# Altium PCB 2019.07.15.master.PcbDoc (part 1 of 7) (continued)
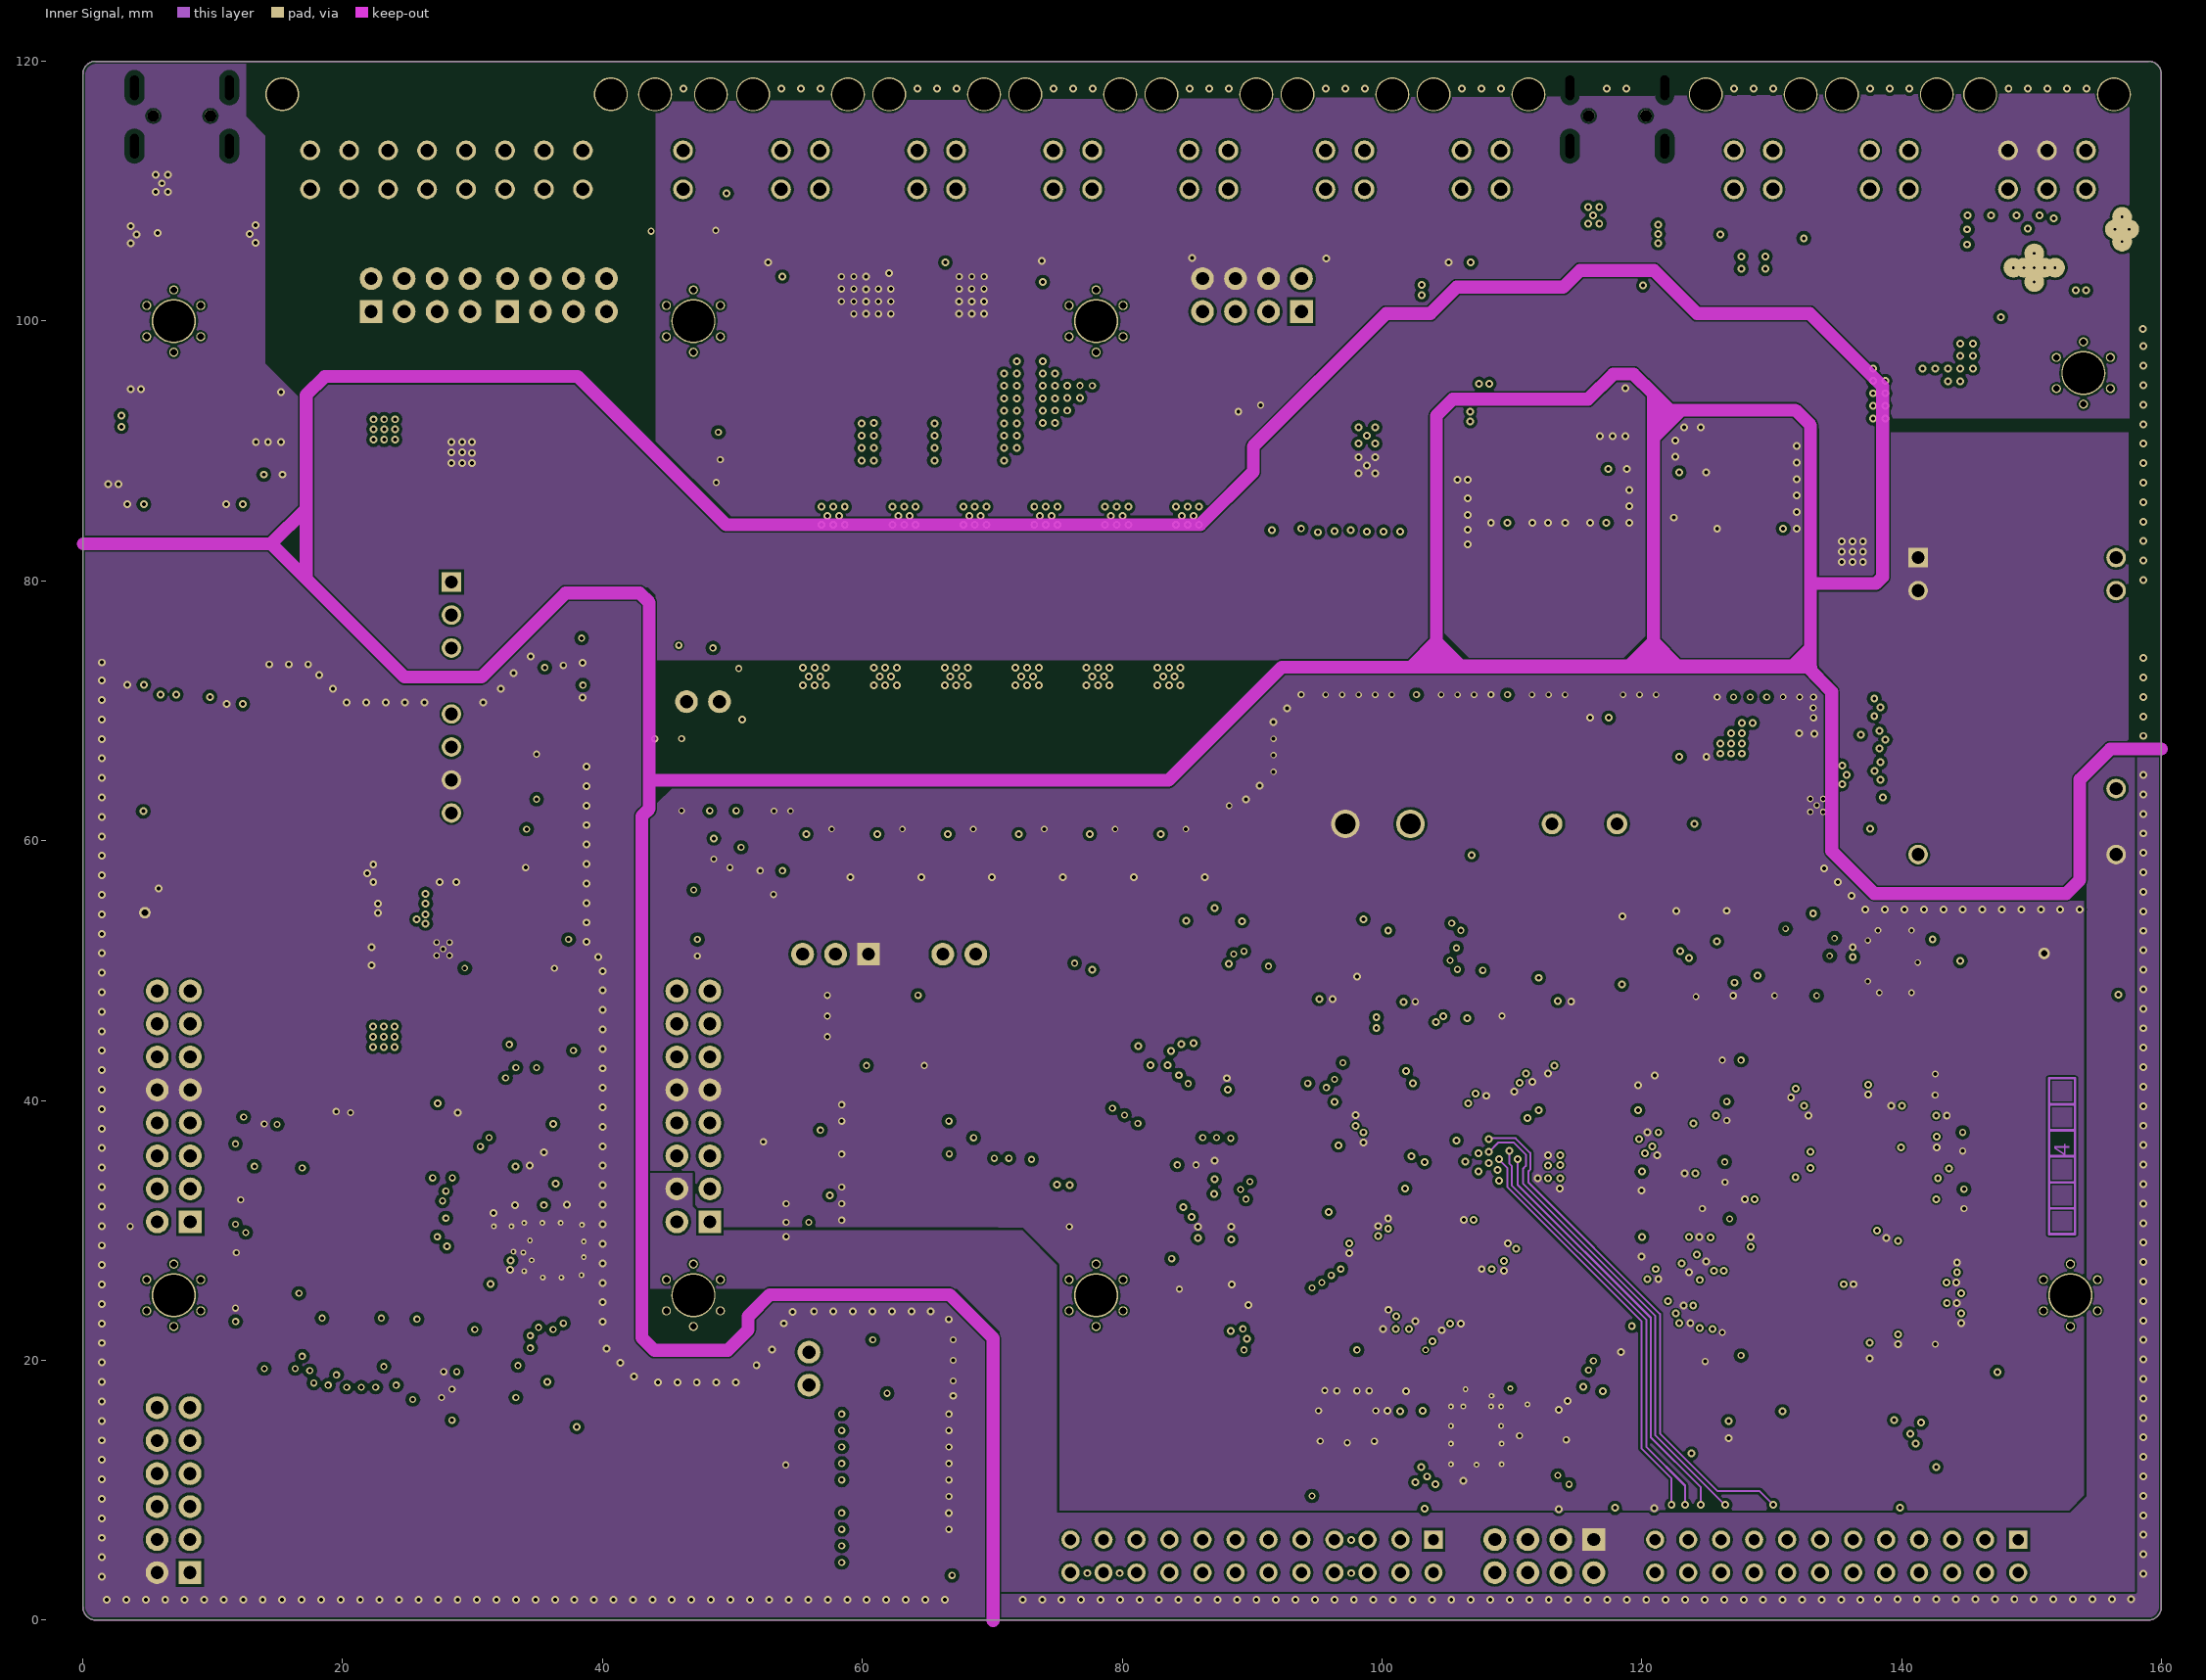
[diagram p4: Inner Signal]
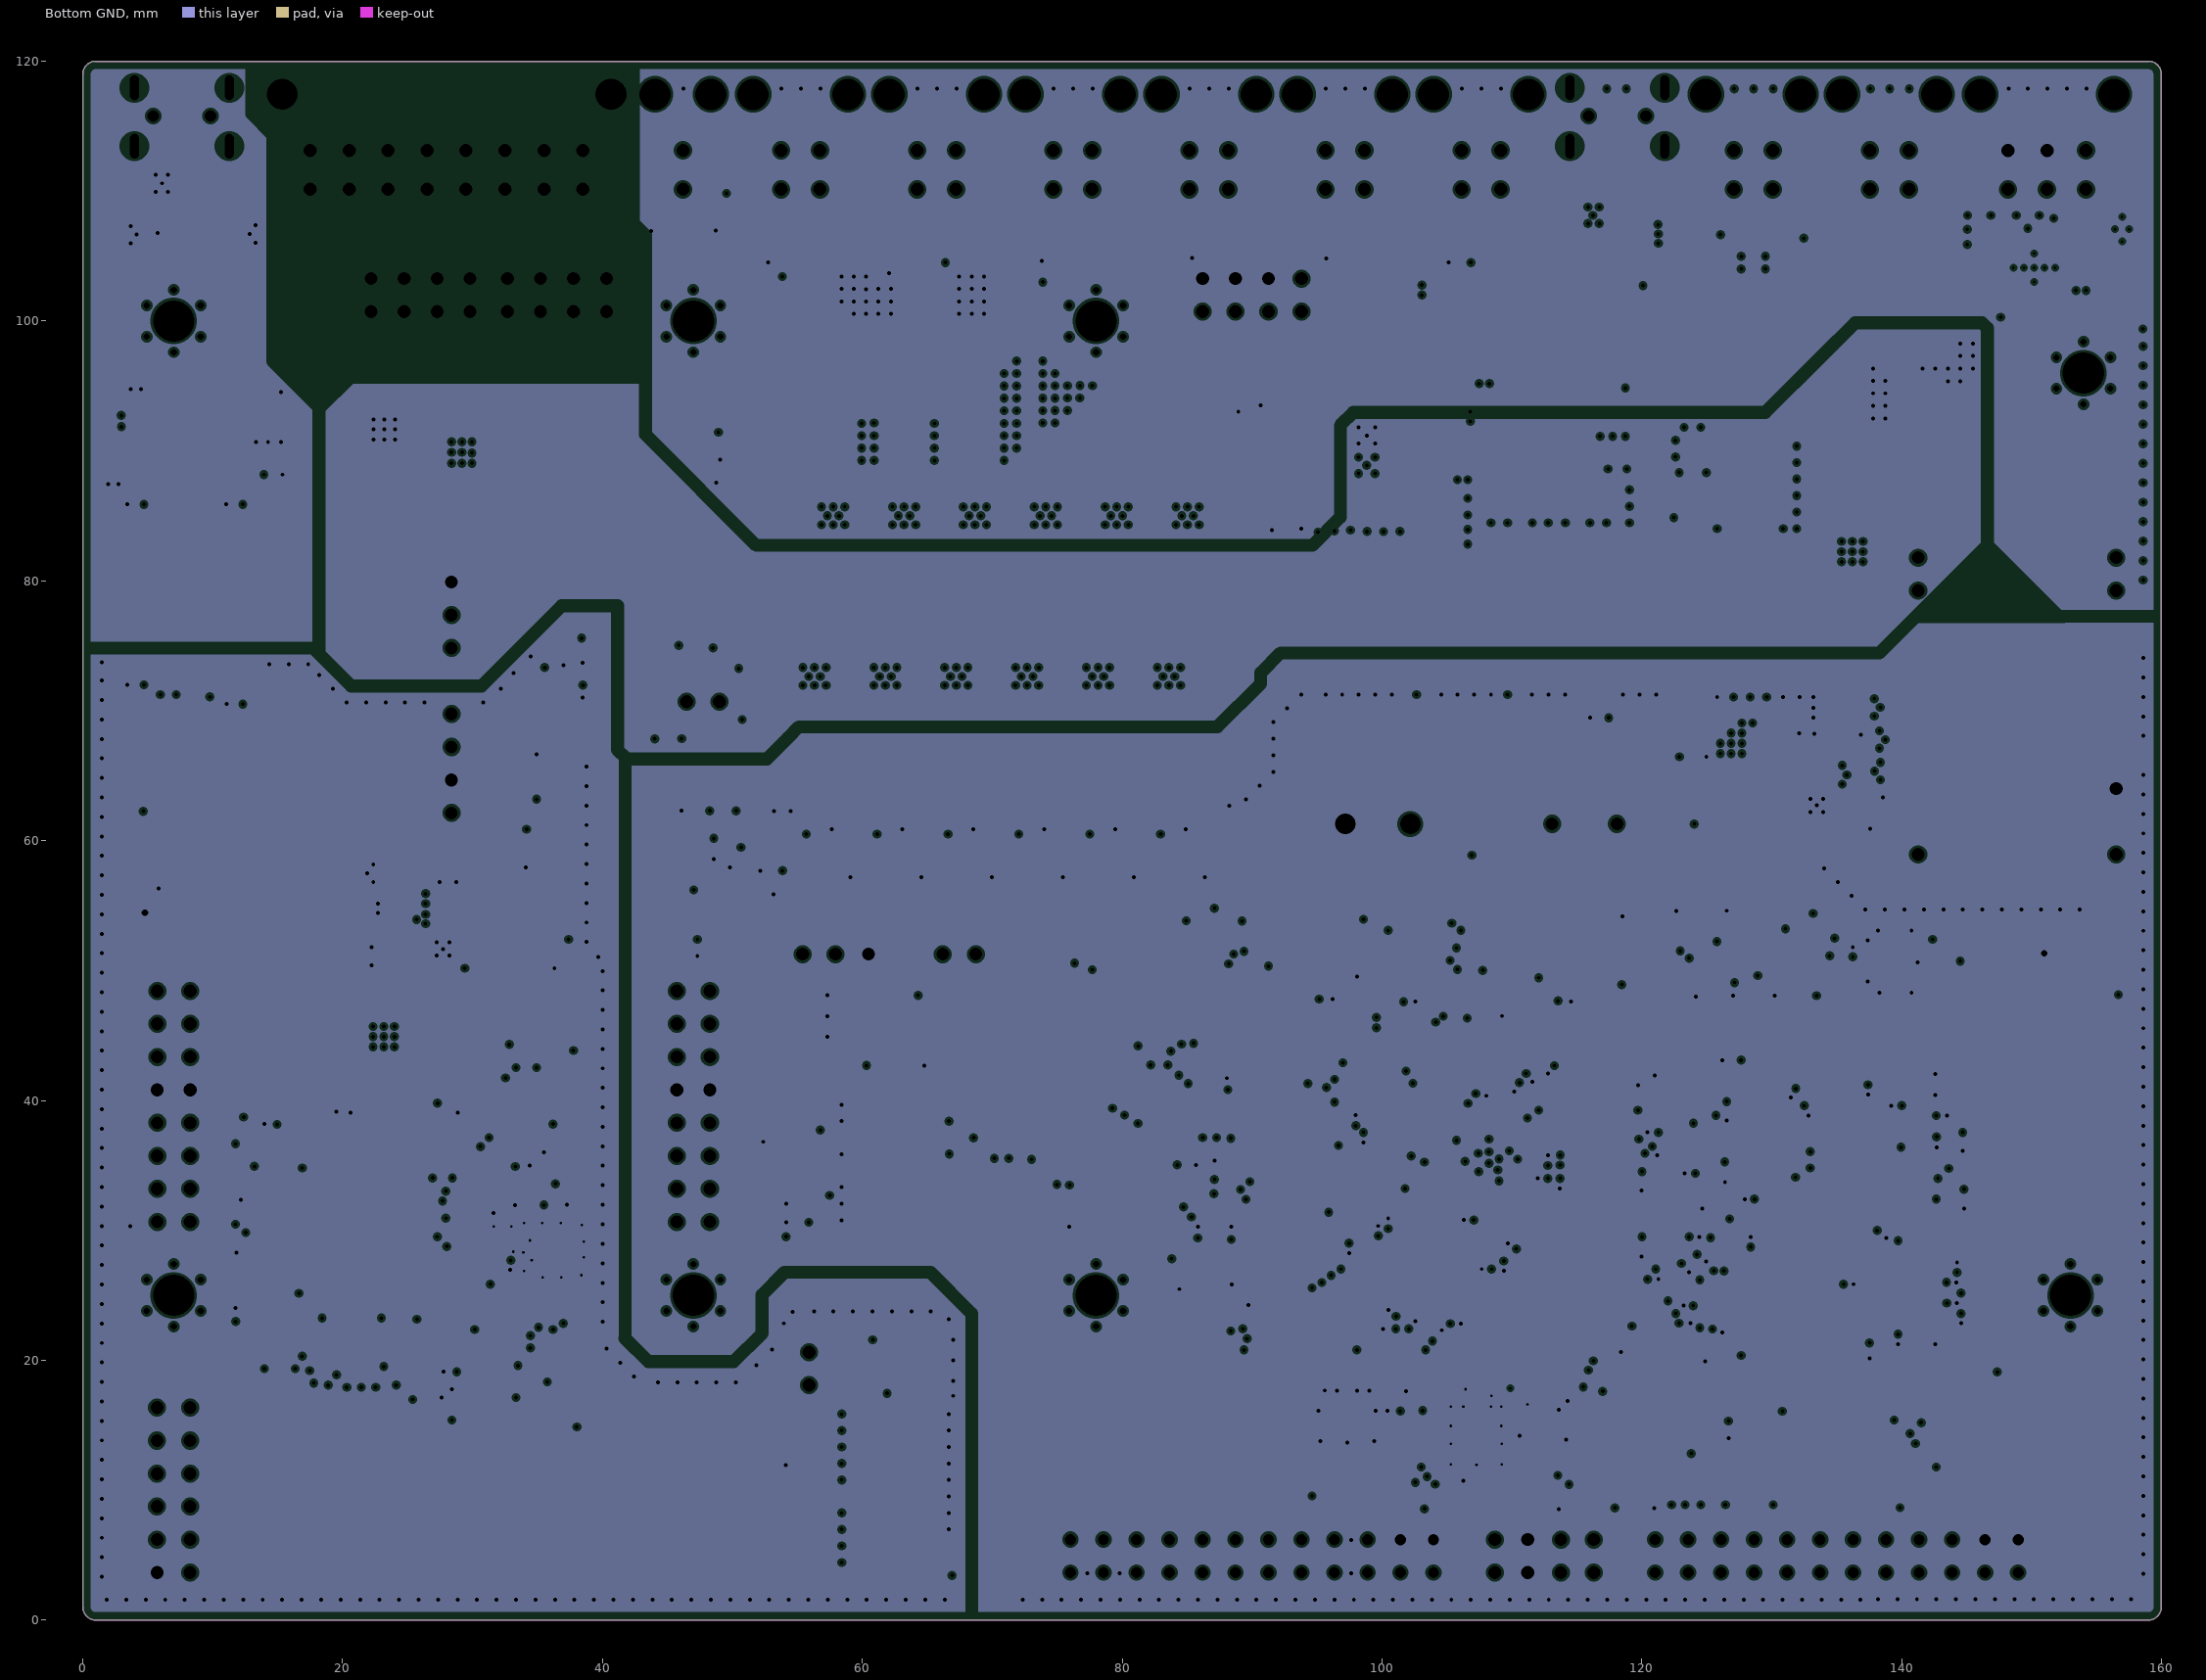
[diagram p5: Bottom GND, clearances drawn from the general rule]
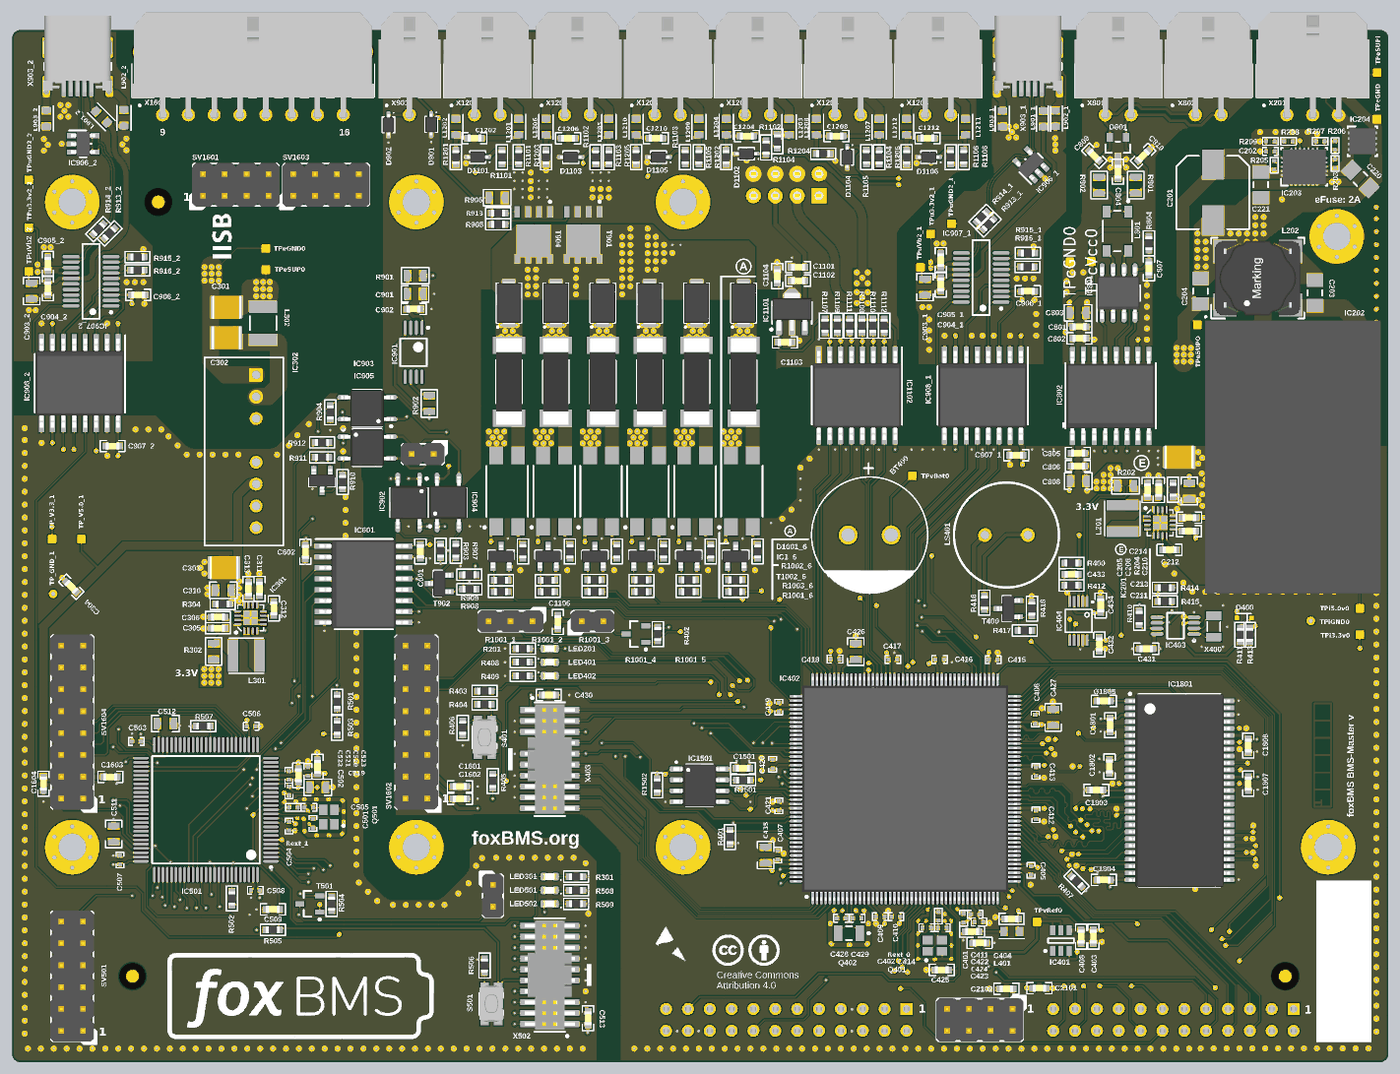
[diagram p12: 3D render of the assembled board from above, using the file's embedded part models]
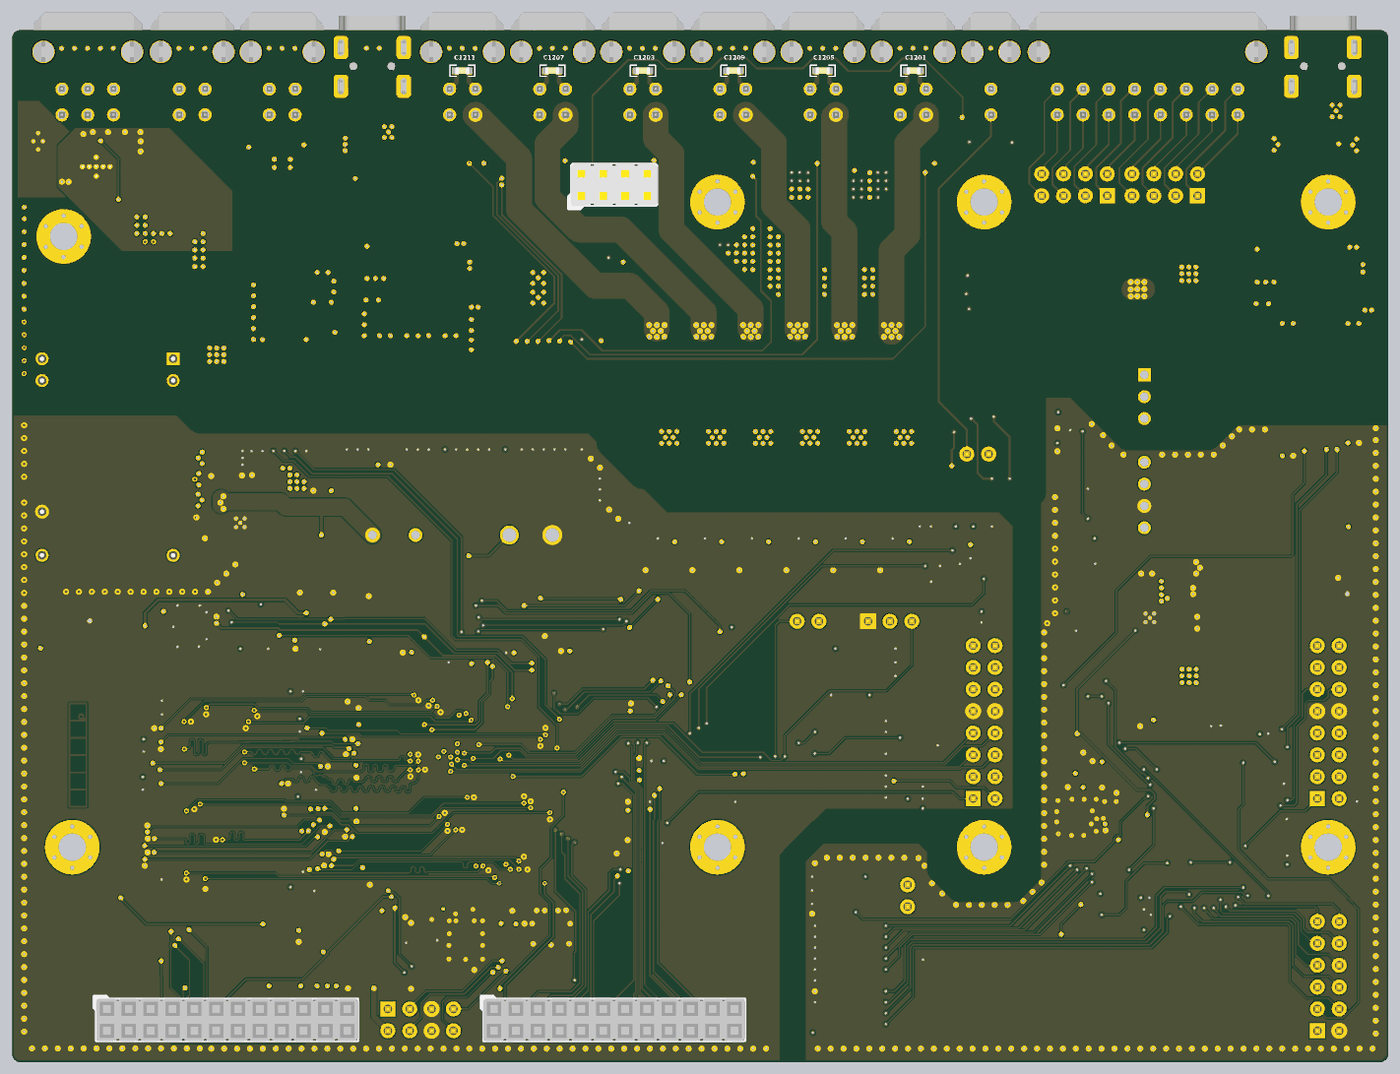
[diagram p13: 3D render of the assembled board from below, using the file's embedded part models]

## Layer stack, top to bottom
Top Solder: solder mask 0.015, Solder Resist, Dk 3.5
Top Signal: signal copper 0.018
Dielectric 1: prepreg 0.1118, PP-015, Dk 4.29
Top GND: plane copper 0.035, net (Multiple Nets)
Dielectric 4: core 0.53, Core-009, Dk 3.96
Inner PWR: plane copper 0.035, net (Multiple Nets)
Dielectric 2: prepreg 0.1118, PP-015, Dk 4.29
Inner Signal: signal copper 0.035
Dielectric 5: core 0.53, Core-009, Dk 3.96
Bottom GND: plane copper 0.035, net (Multiple Nets)
Dielectric 3: prepreg 0.1118, PP-015, Dk 4.29
Bottom Signal: signal copper 0.018
Bottom Solder: solder mask 0.015, Solder Resist, Dk 3.5

## Board outline
159,0 1,0 cw(c1,1) 0,1 0,119 cw(c1,119) 1,120 159,120 cw(c159,119) 160,119 160,1 cw(c159,1)

## Design rules (kind name [scope] priority, off if disabled: settings)
AssemblyTestPointUsage [All] p1 off:
AssemblyTestpoint [(IsPad And (OnTopLayer Or OnBottomLayer)) Or (IsPad And OnMultiLayer)] p1 off: testpointundercomponent=FALSE minsize=1.016 maxsize=2.54 preferedsize=1.524 minholesize=0 maxholesize=1.016 preferedholesize=0.813 testpointgrid=0.025 usegrid=TRUE gridtolerance=0 allowsidetop=TRUE
BoardOutlineClearance [not IsKeepOut] p1: gap=0.203 ignorepadtopadclearanceinfootprint=FALSE except(0.508: Arc-CavityEdge Track-CavityEdge SMDPad-CavityEdge THPad-CavityEdge Via-CavityEdge Fill-CavityEdge Poly-CavityEdge Region-CavityEdge Text-CavityEdge)
Clearance [InNetClass('ISO_EXT') or InNetClass('ISO_MCU_SEC') or InNetClass('ISO_MCU_USB') or InNetClass('ISO_MCU') vs not (InNetClass('ISO_EXT') or InNetClass('ISO_MCU_SEC') or InNetClass('ISO_MCU_USB') or InNetClass('ISO_MCU'))] p1: gap=0.15 ignorepadtopadclearanceinfootprint=TRUE except(0.1: Arc-Arc Arc-Track Arc-SMDPad Arc-THPad Track-Track Track-SMDPad Track-THPad SMDPad-SMDPad SMDPad-THPad THPad-THPad; 0.127: Arc-Via Arc-Fill Arc-Poly Arc-Region Track-Via Track-Fill Track-Poly Track-Region SMDPad-Via THPad-Via Via-Via Via-Fill Via-Poly Via-Region Via-Text Via-Hole)
Clearance PolygonClear [IsKeepOut vs InPoly] p2: gap=0.15 ignorepadtopadclearanceinfootprint=TRUE except(0.1: Arc-Arc Arc-Track Arc-SMDPad Arc-THPad Track-Track Track-SMDPad Track-THPad SMDPad-SMDPad SMDPad-THPad THPad-THPad; 0.127: Arc-Via Arc-Fill Arc-Poly Arc-Region Track-Via Track-Fill Track-Poly Track-Region SMDPad-Via THPad-Via Via-Via Via-Fill Via-Poly Via-Region Via-Text Via-Hole)
Clearance "Schematic Clearance Constraint" [InNetClass('FMC.SDRAM')] p3: gap=0.12 ignorepadtopadclearanceinfootprint=FALSE except(0.127: Arc-Via Track-Via Via-Via Via-Fill Via-Poly Via-Region; 0.2: Arc-Text Arc-Hole Track-Text Track-Hole SMDPad-Text SMDPad-Hole THPad-Text THPad-Hole Via-Text Via-Hole Fill-Text Fill-Hole Poly-Text Poly-Hole Region-Text Region-Hole Text-Text Text-Hole)
Clearance Outer-LV-GAP_ISO_EXT [InNetClass('ISO_EXT') and OnOutside and not IsKeepOut vs (InNetClass('ISO_EXT') = false) and OnOutside and (IsKeepOut = false) and (InNetClass('ISO_MCU') or InNetClass('ISO_MCU_SEC') or InNetClass('ISO_MCU_USB'))] p4: gap=1.8 ignorepadtopadclearanceinfootprint=TRUE except(0: Arc-Text Track-Text SMDPad-Text THPad-Text Via-Text Fill-Text Poly-Text Region-Text Text-Text; 0.2: Arc-Hole Track-Hole SMDPad-Hole THPad-Hole Via-Hole Fill-Hole Poly-Hole Region-Hole Text-Hole; 3: Arc-SMDPad Arc-THPad Track-SMDPad Track-THPad SMDPad-SMDPad SMDPad-THPad THPad-THPad) // 600VDC Outer Gap
Clearance InnerLV-GAP_ISO_EXT [InNetClass('ISO_EXT') and OnMid and not IsKeepOut vs not InNetClass('ISO_EXT') and OnMid and (InNetClass('ISO_MCU') or InNetClass('ISO_MCU_SEC') or InNetClass('ISO_MCU_USB'))] p5: gap=0.7 ignorepadtopadclearanceinfootprint=TRUE except(0: Arc-Text Track-Text SMDPad-Text THPad-Text Via-Text Fill-Text Poly-Text Region-Text Text-Text; 0.2: Arc-Hole Track-Hole SMDPad-Hole THPad-Hole Via-Hole Fill-Hole Poly-Hole Region-Hole Text-Hole) // 600VDC Inner Gap
Clearance Outer-LV-GAP_ISO_MCU [InNetClass('ISO_MCU')  and OnOutside       and not IsKeepOut vs (not InNetClass('ISO_MCU')) and OnOutside and not IsKeepOut and (InNetClass('ISO_EXT') or InNetClass('ISO_MCU_SEC') or InNetClass('ISO_MCU_USB'))] p6: gap=1.8 ignorepadtopadclearanceinfootprint=TRUE except(0: Arc-Text Track-Text SMDPad-Text THPad-Text Via-Text Fill-Text Poly-Text Region-Text Text-Text; 0.2: Arc-Hole Track-Hole SMDPad-Hole THPad-Hole Via-Hole Fill-Hole Poly-Hole Region-Hole Text-Hole; 3: Arc-SMDPad Arc-THPad Track-SMDPad Track-THPad SMDPad-SMDPad SMDPad-THPad THPad-THPad) // 600VDC Outer Gap
Clearance Inner-LV-GAP_ISO_MCU [InNetClass('ISO_MCU') and OnMid and not IsKeepOut vs not InNetClass('ISO_MCU') and OnMid and (InNetClass('ISO_EXT') or InNetClass('ISO_MCU_SEC') or InNetClass('ISO_MCU_USB'))] p7: gap=0.7 ignorepadtopadclearanceinfootprint=TRUE except(0: Arc-Text Track-Text SMDPad-Text THPad-Text Via-Text Fill-Text Poly-Text Region-Text Text-Text; 0.2: Arc-Hole Track-Hole SMDPad-Hole THPad-Hole Via-Hole Fill-Hole Poly-Hole Region-Hole Text-Hole) // 600VDC Outer Gap
Clearance Outer-LV-GAP_ISO_MCU_SEC [InNetClass('ISO_MCU_SEC') and OnOutside and not IsKeepOut vs (not InNetClass('ISO_MCU_SEC')) and OnOutside and not IsKeepOut and (InNetClass('ISO_EXT') or InNetClass('ISO_MCU') or InNetClass('ISO_MCU_USB'))] p8: gap=1.8 ignorepadtopadclearanceinfootprint=TRUE except(0: Arc-Text Track-Text SMDPad-Text THPad-Text Via-Text Fill-Text Poly-Text Region-Text Text-Text; 0.2: Arc-Hole Track-Hole SMDPad-Hole THPad-Hole Via-Hole Fill-Hole Poly-Hole Region-Hole Text-Hole; 3: Arc-SMDPad Arc-THPad Track-SMDPad Track-THPad SMDPad-SMDPad SMDPad-THPad THPad-THPad) // 600VDC Outer Gap
Clearance Inner-LV-GAP_ISO_MCU_SEC [InNetClass('ISO_MCU_SEC') and OnMid and not IsKeepOut vs not InNetClass('ISO_MCU_SEC') and OnMid and (InNetClass('ISO_EXT') or InNetClass('ISO_MCU') or InNetClass('ISO_MCU_USB'))] p9: gap=0.7 ignorepadtopadclearanceinfootprint=TRUE except(0: Arc-Text Track-Text SMDPad-Text THPad-Text Via-Text Fill-Text Poly-Text Region-Text Text-Text; 0.2: Arc-Hole Track-Hole SMDPad-Hole THPad-Hole Via-Hole Fill-Hole Poly-Hole Region-Hole Text-Hole) // 600VDC Outer Gap
Clearance Outer-LV-GAP_ISO_USB [InNetClass('ISO_MCU_USB') and OnOutside and not IsKeepOut vs (not InNetClass('ISO_MCU_USB')) and OnOutside and not IsKeepOut and (InNetClass('ISO_EXT') or InNetClass('ISO_MCU') or InNetClass('ISO_MCU_SEC'))] p10: gap=1.8 ignorepadtopadclearanceinfootprint=TRUE except(0: Arc-Text Track-Text SMDPad-Text THPad-Text Via-Text Fill-Text Poly-Text Region-Text Text-Text; 0.2: Arc-Hole Track-Hole SMDPad-Hole THPad-Hole Via-Hole Fill-Hole Poly-Hole Region-Hole Text-Hole; 3: Arc-SMDPad Arc-THPad Track-SMDPad Track-THPad SMDPad-SMDPad SMDPad-THPad THPad-THPad) // 600VDC Outer Gap
Clearance Inner-LV-GAP_ISO_USB [InNetClass('ISO_MCU_USB') and OnMid and not IsKeepOut vs not InNetClass('ISO_MCU_USB') and OnMid     and (InNetClass('ISO_EXT') or InNetClass('ISO_MCU') or InNetClass('ISO_MCU_SEC'))] p11: gap=0.7 ignorepadtopadclearanceinfootprint=TRUE except(0: Arc-Text Track-Text SMDPad-Text THPad-Text Via-Text Fill-Text Poly-Text Region-Text Text-Text; 0.2: Arc-Hole Track-Hole SMDPad-Hole THPad-Hole Via-Hole Fill-Hole Poly-Hole Region-Hole Text-Hole) // 600VDC Outer Gap
Clearance InnerLayers [OnMid vs not IsKeepOut] p12: gap=0.2 ignorepadtopadclearanceinfootprint=TRUE except(0.127: Arc-Via Track-Via SMDPad-Via THPad-Via Via-Via Via-Fill Via-Poly Via-Region Via-Text Via-Hole; 0.4: Arc-Hole Track-Hole SMDPad-Hole THPad-Hole Fill-Hole Poly-Hole Region-Hole Text-Hole)
Clearance OuterLayers [OnOutside vs not IsKeepOut] p13: gap=0.15 ignorepadtopadclearanceinfootprint=TRUE except(0.1: Arc-Arc Arc-Track Arc-SMDPad Arc-THPad Track-Track Track-SMDPad Track-THPad SMDPad-SMDPad SMDPad-THPad THPad-THPad; 0.127: Arc-Via Arc-Fill Arc-Poly Arc-Region Track-Via Track-Fill Track-Poly Track-Region SMDPad-Via THPad-Via Via-Via Via-Fill Via-Poly Via-Region Via-Text; 0.2: Arc-Hole Track-Hole SMDPad-Hole THPad-Hole Via-Hole Fill-Hole Poly-Hole Region-Hole Text-Hole)
ComponentClearance [All] p1: gap=0.1 collisioncheckmode=3 verticalgap=0.1 showdistances=TRUE
DiffPairsRouting [All] p1: maxlimit=0.254 minlimit=0.127 mostfreqgap=0.254 toplayer_maxgap=0.203 toplayer_prefgap=0.152 toplayer_minwidth=0.131 toplayer_maxwidth=0.152 toplayer_prefwidth=0.14 midlayer1_mingap=0.254 midlayer1_minwidth=0.381 midlayer1_maxwidth=0.381 midlayer1_prefwidth=0.381 bottomlayer_maxgap=0.203 bottomlayer_prefgap=0.152 bottomlayer_minwidth=0.131 bottomlayer_maxwidth=0.152 bottomlayer_prefwidth=0.14 maxuncoupledlength=12.7
FabricationTestpoint [All] p1: side=1 testpointundercomponent=TRUE minsize=0.508 maxsize=7.62 preferedsize=1.524 minholesize=0 maxholesize=1.016 preferedholesize=0.813 testpointgrid=0.025 allowsidetop=TRUE usegrid=FALSE gridtolerance=0
HoleSize [All] p1: absolutevalues=TRUE maxlimit=6.4 minlimit=0.2 maxpercent=80.000 minpercent=20.000
HoleToHoleClearance [All] p1: gap=0.377 allowstackedmicrovias=FALSE
Length "Schematic Length Constraint" [InNetClass('FMC.SDRAM')] p1: maxlimit=120 minlimit=0
MatchedLengths "Schematic Matched Net Lengths_3" [InNetClass('FMC.CNTRL')] p1: tolerance=20 checknetsindiffpair=FALSE checkdiffpairvsdiffpair=TRUE checkxsignals=TRUE checkothers=TRUE
MatchedLengths "Schematic Matched Net Lengths_1" [InNetClass('FMC.DQM')] p2: tolerance=10 checknetsindiffpair=FALSE checkdiffpairvsdiffpair=TRUE checkxsignals=TRUE checkothers=TRUE
MatchedLengths "Schematic Matched Net Lengths" [InNetClass('FMC.ADR')] p3: tolerance=10 checknetsindiffpair=FALSE checkdiffpairvsdiffpair=TRUE checkxsignals=TRUE checkothers=TRUE
MaxMinImpedance "Schematic Impedance Constraint" [InNetClass('FMC.SDRAM')] p1: minimum=50.00 maximum=60.00
MinimumAnnularRing [All] p1: minimumring=0.1
MinimumSolderMaskSliver [All] p1: minsoldermaskwidth=0.05
NetAntennae [not InNet('CAN_GND_INT')] p1: netantennaetolerance=0
PlaneClearance [All] p1: clearance=0.2
PlaneConnect [All] p1: planeconnectstyle=Direct reliefexpansion=0.45 reliefentries=4 reliefconductorwidth=0.4 reliefairgap=0.2
PolygonConnect TopGND [InNet('CAN_GND_INT') or InNet('GND_1') or InNet('USB_GND_1') or InNet('USB_GND_2') or InNet('CAN_GND') or InNet('RTN_EXT_0') or InNet('SUPPLY_EXT_0_IN') vs OnTopLayer] p1: thpad.connectstyle=NoConnect thpad.reliefconductorwidth=0.4 thpad.reliefentries=4 thpad.polygonreliefangle="45 Angle" thpad.airgapwidth=0.15 smdpad.connectstyle=NoConnect smdpad.reliefconductorwidth=0.4 smdpad.reliefentries=4 smdpad.polygonreliefangle="90 Angle" smdpad.airgapwidth=0.15 via.connectstyle=Direct via.reliefconductorwidth=0.4 via.reliefentries=4 via.polygonreliefangle="45 Angle" via.airgapwidth=0.15
PolygonConnect [All vs not OnTopLayer] p2: thpad.connectstyle=Direct thpad.reliefconductorwidth=0.4 thpad.reliefentries=4 thpad.polygonreliefangle="90 Angle" thpad.airgapwidth=0.2 smdpad.connectstyle=Relief smdpad.reliefconductorwidth=0.4 smdpad.reliefentries=4 smdpad.polygonreliefangle="90 Angle" smdpad.airgapwidth=0.2 via.connectstyle=Direct via.reliefconductorwidth=0.4 via.reliefentries=4 via.polygonreliefangle="90 Angle" via.airgapwidth=0.2
RoomDefinition CON5 [InComponentClass('CON5')] p1: confinementstyle=ConfineIn formatcopy=TRUE lockcomponents=FALSE outline 87.55,55.169 87.55,89.992 82.094,89.992 82.094,55.169
RoomDefinition CON4 [InComponentClass('CON4')] p2: confinementstyle=ConfineIn formatcopy=TRUE lockcomponents=FALSE outline 82.094,55.169 82.094,89.992 76.638,89.992 76.638,55.169
RoomDefinition CON3 [InComponentClass('CON3')] p3: confinementstyle=ConfineIn formatcopy=TRUE lockcomponents=FALSE outline 76.638,55.169 76.638,89.992 71.182,89.992 71.182,55.169
RoomDefinition CON2 [InComponentClass('CON2')] p4: confinementstyle=ConfineIn formatcopy=TRUE lockcomponents=FALSE outline 71.182,55.169 71.182,89.992 65.726,89.992 65.726,55.169
RoomDefinition CON1 [InComponentClass('CON1')] p5: confinementstyle=ConfineIn formatcopy=TRUE lockcomponents=FALSE outline 65.726,55.169 65.726,89.992 60.269,89.992 60.269,55.169
RoomDefinition CON0 [InComponentClass('CON0')] p6: confinementstyle=ConfineIn formatcopy=FALSE lockcomponents=FALSE outline 60.269,55.169 60.269,89.992 54.813,89.992 54.813,55.169
RoomDefinition USB1 [InComponentClass('USB1')] p7: confinementstyle=ConfineIn formatcopy=TRUE lockcomponents=FALSE outline 17.311,70.714 17.311,119.71 0.573,119.71 0.573,70.714
RoomDefinition USB0 [InComponentClass('USB0')] p8: confinementstyle=ConfineIn formatcopy=TRUE lockcomponents=FALSE outline 126.351,70.739 126.351,119.736 106.477,119.736 106.477,70.739
RoutingVias [All] p1: holewidth=0.3 width=0.45 viastyle="Through Hole" minholewidth=0.2 minwidth=0.45 maxholewidth=1 maxwidth=7
SMDEntry [All] p1: side=TRUE corner=TRUE anyangle=TRUE
SilkToSilkClearance [All] p1: silktosilkclearance=0
SilkToSolderMaskClearance [IsPad] p1: minsilkscreentomaskgap=0.075 clearancetoexposedcopper=TRUE
SolderMaskExpansion SolderMaskExpansion_VIAs [IsVia] p1: expansion=-10 // Cover all Vias
SolderMaskExpansion [All] p2: expansion=0.051
UnRoutedNet [All] p1: checkbadconnections=TRUE
UnpouredPolygon UnpouredPolygon_1 [All] p1:
Width "Schematic Width Constraint" [InNetClass('FMC.SDRAM')] p1: maxlimit=0.44 minlimit=0.12 preferedwidth=0.44 toplayer_maxwidth=0.12 toplayer_prefwidth=0.12 midlayer1_minwidth=0.44 bottomlayer_maxwidth=0.12 bottomlayer_prefwidth=0.12 minimp=50.000000 maximp=50.000000 favimp=50.000000
Width [All] p2: maxlimit=20 minlimit=0.1 preferedwidth=0.2 toplayer_prefwidth=0.15 bottomlayer_prefwidth=0.15 minimp=50.000000 maximp=50.000000 favimp=50.000000
15 further rules are at their usual default settings.
